# EAGLE board makey_makey_panel_v13 (EAGLE 6.5.0), part 1 of 4 (continued)
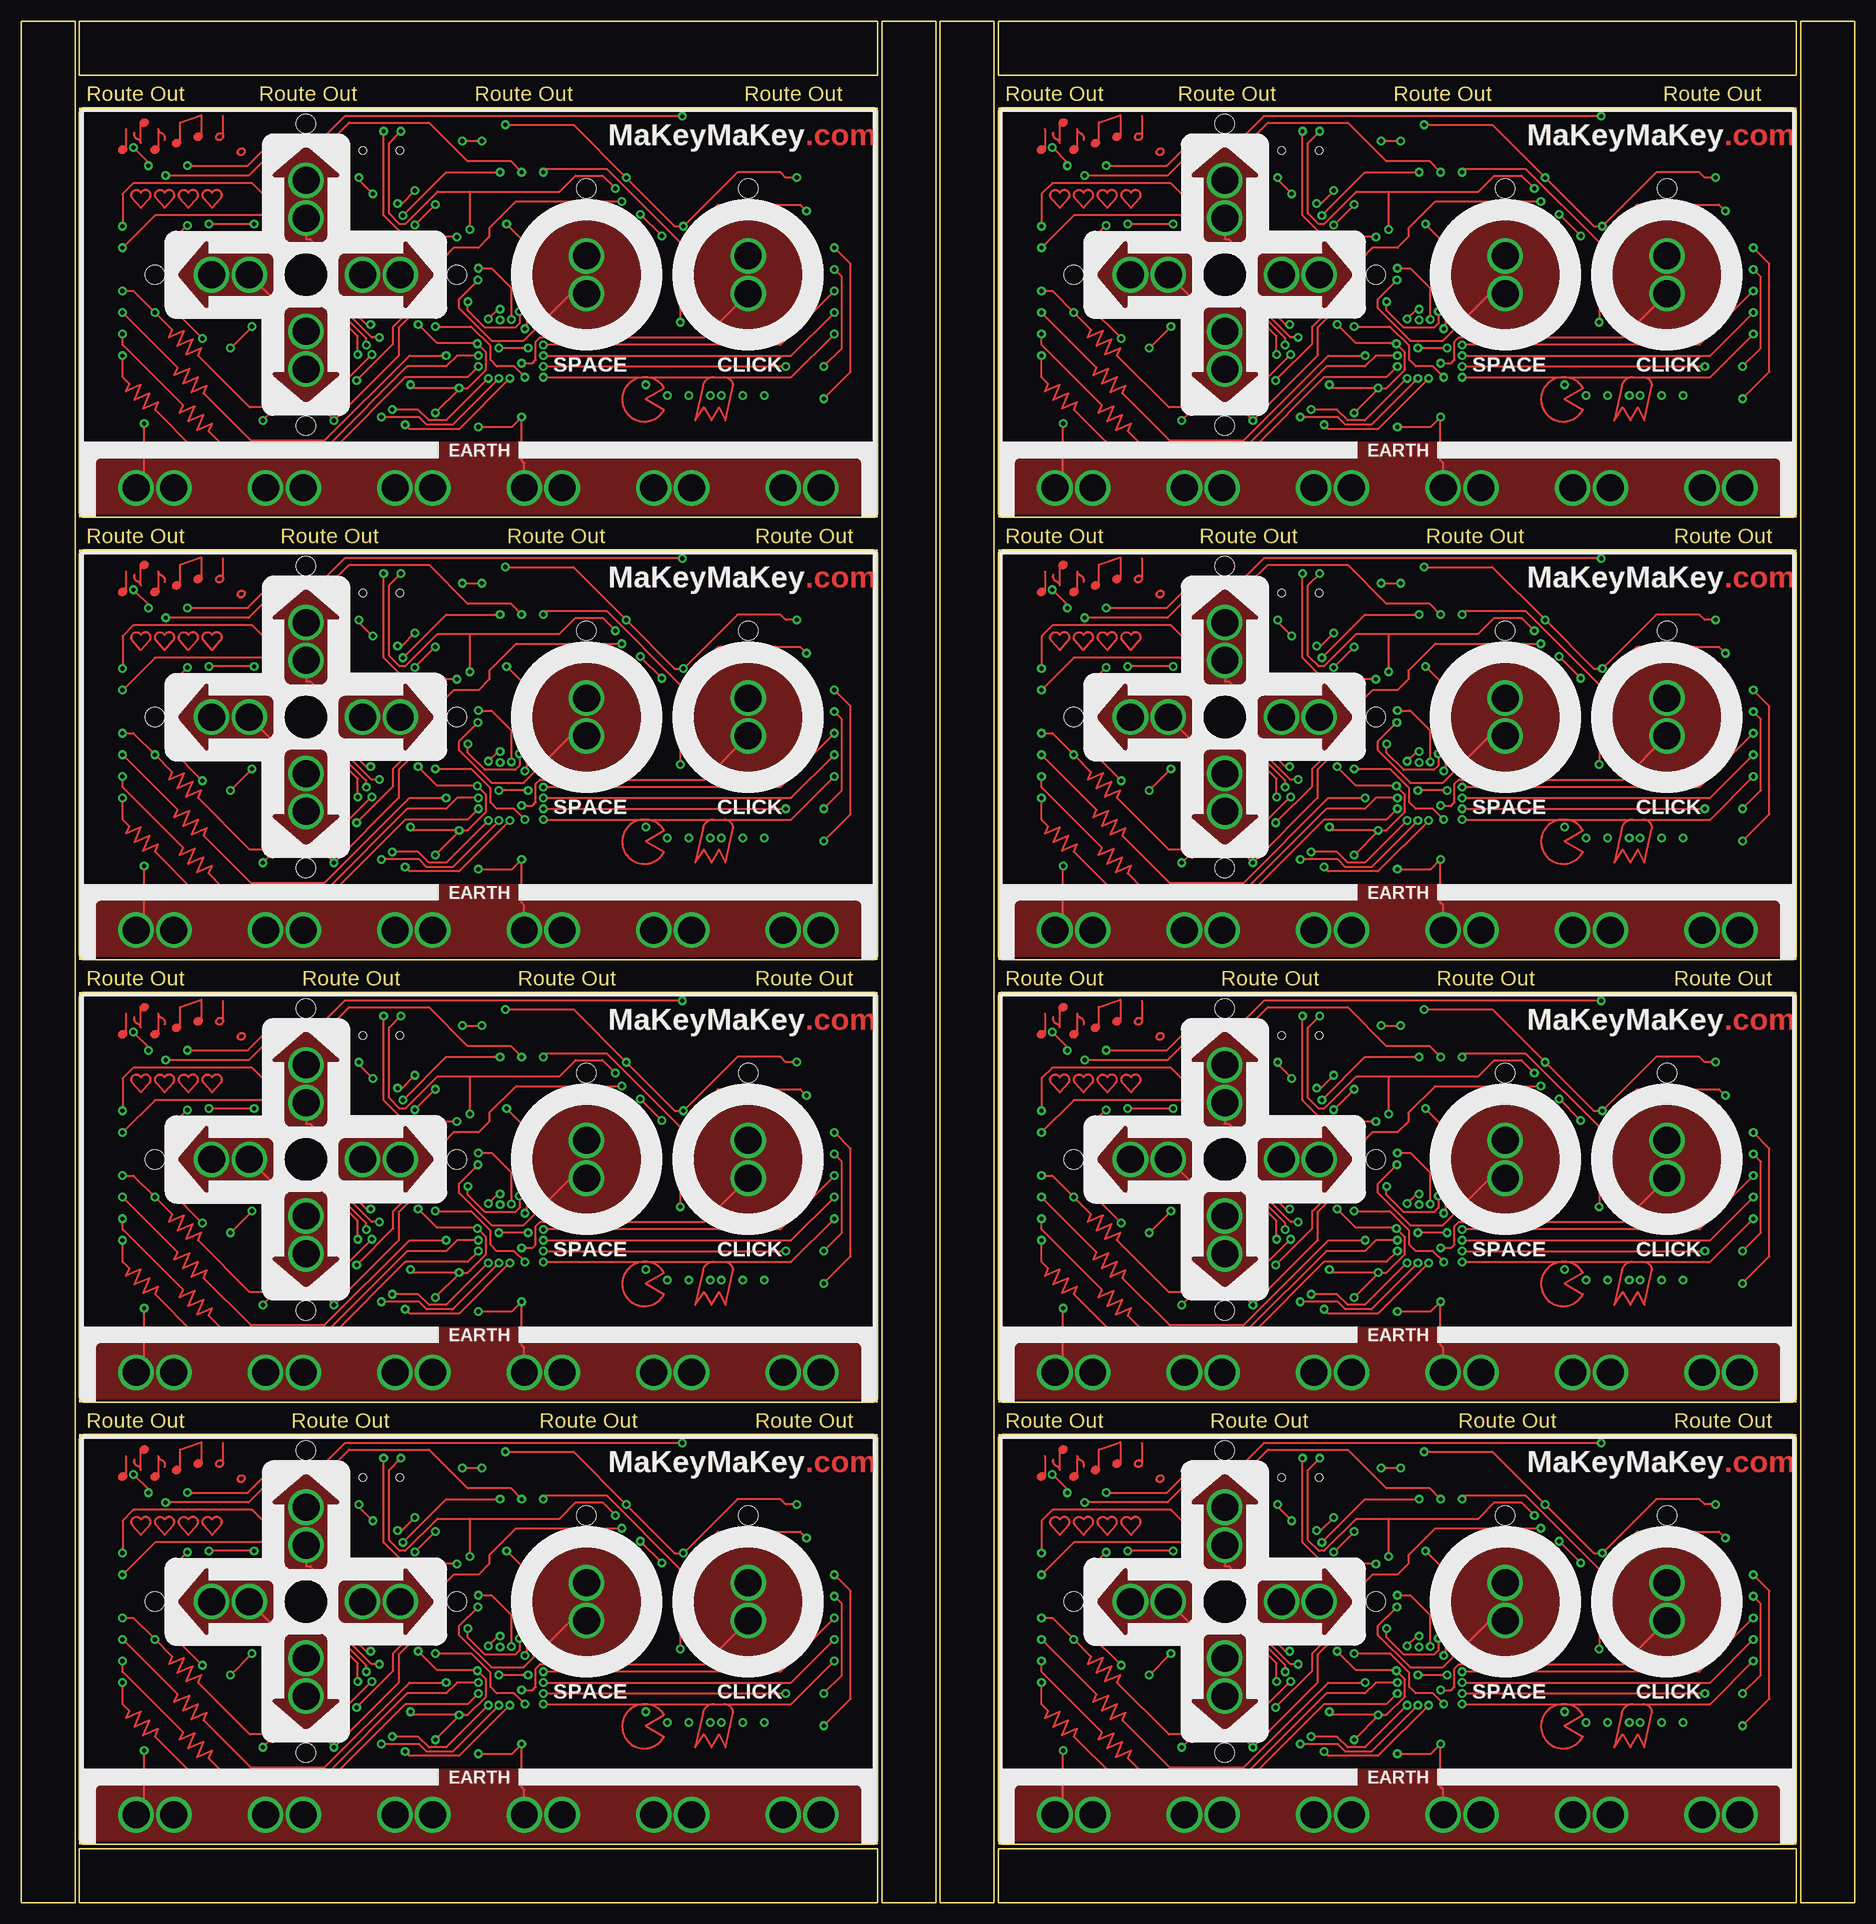
[diagram p0: board, top side]
## Placement (x,y rotation side) (continued)
LEFT  [1X01_ALLIGATOR_3MM]  24.64,35.43 270 top
LEFT1  [1X01_ALLIGATOR_3MM]  24.64,87.5 270 top
LEFT2  [1X01_ALLIGATOR_3MM]  24.64,139.57 270 top
LEFT3  [1X01_ALLIGATOR_3MM]  24.64,191.64 270 top
LEFT4  [1X01_ALLIGATOR_3MM]  132.84,35.43 270 top
LEFT5  [1X01_ALLIGATOR_3MM]  132.84,87.5 270 top
LEFT6  [1X01_ALLIGATOR_3MM]  132.84,139.57 270 top
LEFT7  [1X01_ALLIGATOR_3MM]  132.84,191.64 270 top
R1  22  [0603-RES]  55.12,38.61 90 bottom
R2  22  [0603-RES]  56.39,39.12 90 bottom
R3  10K  [0603-RES]  53.85,53.09 180 bottom
R4  22M  [0603-RES]  18.92,24.13 180 bottom
R5  22M  [0603-RES]  18.92,26.67 180 bottom
R6  22M  [0603-RES]  18.92,29.21 180 bottom
R7  22M  [0603-RES]  18.92,31.75 180 bottom
R8  22M  [0603-RES]  18.92,42.8 180 bottom
R9  22M  [0603-RES]  18.92,44.96 180 bottom
R10  22M  [0603-RES]  89.41,25.91 0 bottom
R11  22M  [0603-RES]  89.41,28.45 0 bottom
R12  22M  [0603-RES]  89.41,30.99 0 bottom
R13  22M  [0603-RES]  89.41,33.53 0 bottom
R14  22M  [0603-RES]  89.41,36.07 0 bottom
R15  22M  [0603-RES]  89.41,38.61 0 bottom
R16  1k  [0603-RES]  65.66,51.31 180 bottom
R17  330  [0603-RES]  94.49,46.23 90 bottom
R18  330  [0603-RES]  13.21,46.23 90 bottom
R19  1k  [0603-RES]  57.28,51.31 0 bottom
R20  330  [0603-RES]  39.24,18.29 0 bottom
R21  330  [0603-RES]  39.24,19.56 0 bottom
R22  330  [0603-RES]  53.85,38.61 90 bottom
R23  1k  [0603-RES]  42.04,43.56 0 bottom
R24  22M  [0603-RES]  31.88,37.34 180 bottom
R25  22M  [0603-RES]  31.88,33.53 180 bottom
R26  22M  [0603-RES]  35.18,33.53 0 bottom
R27  22M  [0603-RES]  35.18,37.34 0 bottom
R28  22M  [0603-RES]  70.36,36.07 90 bottom
R29  22M  [0603-RES]  81.79,36.07 90 bottom
R30  10K  [0603-RES]  53.85,105.16 180 bottom
R31  22  [0603-RES]  56.39,91.19 90 bottom
R32  22  [0603-RES]  55.12,90.68 90 bottom
R33  22M  [0603-RES]  81.79,88.14 90 bottom
R34  22M  [0603-RES]  70.36,88.14 90 bottom
R35  22M  [0603-RES]  35.18,89.41 0 bottom
R36  22M  [0603-RES]  35.18,85.6 0 bottom
R37  22M  [0603-RES]  31.88,85.6 180 bottom
R38  22M  [0603-RES]  31.88,89.41 180 bottom
R39  1k  [0603-RES]  42.04,95.63 0 bottom
R40  22M  [0603-RES]  89.41,88.14 0 bottom
R41  22M  [0603-RES]  89.41,85.6 0 bottom
R42  22M  [0603-RES]  89.41,83.06 0 bottom
R43  22M  [0603-RES]  89.41,80.52 0 bottom
R44  22M  [0603-RES]  89.41,77.98 0 bottom
R45  22M  [0603-RES]  18.92,83.82 180 bottom
R46  22M  [0603-RES]  18.92,81.28 180 bottom
R47  22M  [0603-RES]  18.92,78.74 180 bottom
R48  22M  [0603-RES]  18.92,76.2 180 bottom
R49  22M  [0603-RES]  18.92,97.03 180 bottom
R50  22M  [0603-RES]  18.92,94.87 180 bottom
R51  22M  [0603-RES]  89.41,90.68 0 bottom
R52  330  [0603-RES]  39.24,70.36 0 bottom
R53  330  [0603-RES]  39.24,71.63 0 bottom
R54  330  [0603-RES]  53.85,90.68 90 bottom
R55  330  [0603-RES]  94.49,98.3 90 bottom
R56  330  [0603-RES]  13.21,98.3 90 bottom
R57  1k  [0603-RES]  65.66,103.38 180 bottom
R58  1k  [0603-RES]  57.28,103.38 0 bottom
R59  10K  [0603-RES]  53.85,157.23 180 bottom
R60  22  [0603-RES]  56.39,143.26 90 bottom
R61  22  [0603-RES]  55.12,142.75 90 bottom
R62  22M  [0603-RES]  81.79,140.21 90 bottom
R63  22M  [0603-RES]  70.36,140.21 90 bottom
R64  22M  [0603-RES]  35.18,141.48 0 bottom
R65  22M  [0603-RES]  35.18,137.67 0 bottom
R66  22M  [0603-RES]  31.88,137.67 180 bottom
R67  22M  [0603-RES]  31.88,141.48 180 bottom
R68  1k  [0603-RES]  42.04,147.7 0 bottom
R69  22M  [0603-RES]  89.41,140.21 0 bottom
R70  22M  [0603-RES]  89.41,137.67 0 bottom
R71  22M  [0603-RES]  89.41,135.13 0 bottom
R72  22M  [0603-RES]  89.41,132.59 0 bottom
R73  22M  [0603-RES]  89.41,130.05 0 bottom
R74  22M  [0603-RES]  18.92,135.89 180 bottom
R75  22M  [0603-RES]  18.92,133.35 180 bottom
R76  22M  [0603-RES]  18.92,130.81 180 bottom
R77  22M  [0603-RES]  18.92,128.27 180 bottom
R78  22M  [0603-RES]  18.92,149.1 180 bottom
R79  22M  [0603-RES]  18.92,146.94 180 bottom
R80  22M  [0603-RES]  89.41,142.75 0 bottom
R81  330  [0603-RES]  39.24,122.43 0 bottom
R82  330  [0603-RES]  39.24,123.7 0 bottom
R83  330  [0603-RES]  53.85,142.75 90 bottom
R84  330  [0603-RES]  94.49,150.37 90 bottom
R85  330  [0603-RES]  13.21,150.37 90 bottom
R86  1k  [0603-RES]  65.66,155.45 180 bottom
R87  1k  [0603-RES]  57.28,155.45 0 bottom
R88  10K  [0603-RES]  53.85,209.3 180 bottom
R89  22  [0603-RES]  56.39,195.33 90 bottom
R90  22  [0603-RES]  55.12,194.82 90 bottom
R91  22M  [0603-RES]  81.79,192.28 90 bottom
R92  22M  [0603-RES]  70.36,192.28 90 bottom
R93  22M  [0603-RES]  35.18,193.55 0 bottom
R94  22M  [0603-RES]  35.18,189.74 0 bottom
R95  22M  [0603-RES]  31.88,189.74 180 bottom
R96  22M  [0603-RES]  31.88,193.55 180 bottom
R97  1k  [0603-RES]  42.04,199.77 0 bottom
R98  22M  [0603-RES]  89.41,192.28 0 bottom
R99  22M  [0603-RES]  89.41,189.74 0 bottom
R100  22M  [0603-RES]  89.41,187.2 0 bottom
R101  22M  [0603-RES]  89.41,184.66 0 bottom
R102  22M  [0603-RES]  89.41,182.12 0 bottom
R103  22M  [0603-RES]  18.92,187.96 180 bottom
R104  22M  [0603-RES]  18.92,185.42 180 bottom
R105  22M  [0603-RES]  18.92,182.88 180 bottom
R106  22M  [0603-RES]  18.92,180.34 180 bottom
R107  22M  [0603-RES]  18.92,201.17 180 bottom
R108  22M  [0603-RES]  18.92,199.01 180 bottom
R109  22M  [0603-RES]  89.41,194.82 0 bottom
R110  330  [0603-RES]  39.24,174.5 0 bottom
R111  330  [0603-RES]  39.24,175.77 0 bottom
R112  330  [0603-RES]  53.85,194.82 90 bottom
R113  330  [0603-RES]  94.49,202.44 90 bottom
R114  330  [0603-RES]  13.21,202.44 90 bottom
R115  1k  [0603-RES]  65.66,207.52 180 bottom
R116  1k  [0603-RES]  57.28,207.52 0 bottom
R117  10K  [0603-RES]  162.05,53.09 180 bottom
R118  22  [0603-RES]  164.59,39.12 90 bottom
R119  22  [0603-RES]  163.32,38.61 90 bottom
R120  22M  [0603-RES]  189.99,36.07 90 bottom
R121  22M  [0603-RES]  178.56,36.07 90 bottom
R122  22M  [0603-RES]  143.38,37.34 0 bottom
R123  22M  [0603-RES]  143.38,33.53 0 bottom
R124  22M  [0603-RES]  140.08,33.53 180 bottom
R125  22M  [0603-RES]  140.08,37.34 180 bottom
R126  1k  [0603-RES]  150.24,43.56 0 bottom
R127  22M  [0603-RES]  197.61,36.07 0 bottom
R128  22M  [0603-RES]  197.61,33.53 0 bottom
R129  22M  [0603-RES]  197.61,30.99 0 bottom
R130  22M  [0603-RES]  197.61,28.45 0 bottom
R131  22M  [0603-RES]  197.61,25.91 0 bottom
R132  22M  [0603-RES]  127.13,31.75 180 bottom
R133  22M  [0603-RES]  127.13,29.21 180 bottom
R134  22M  [0603-RES]  127.13,26.67 180 bottom
R135  22M  [0603-RES]  127.13,24.13 180 bottom
R136  22M  [0603-RES]  127.13,44.96 180 bottom
R137  22M  [0603-RES]  127.13,42.8 180 bottom
R138  22M  [0603-RES]  197.61,38.61 0 bottom
R139  330  [0603-RES]  147.45,18.29 0 bottom
R140  330  [0603-RES]  147.45,19.56 0 bottom
R141  330  [0603-RES]  162.05,38.61 90 bottom
R142  330  [0603-RES]  202.69,46.23 90 bottom
R143  330  [0603-RES]  121.41,46.23 90 bottom
R144  1k  [0603-RES]  173.86,51.31 180 bottom
R145  1k  [0603-RES]  165.48,51.31 0 bottom
R146  10K  [0603-RES]  162.05,105.16 180 bottom
R147  22  [0603-RES]  164.59,91.19 90 bottom
R148  22  [0603-RES]  163.32,90.68 90 bottom
R149  22M  [0603-RES]  189.99,88.14 90 bottom
R150  22M  [0603-RES]  178.56,88.14 90 bottom
R151  22M  [0603-RES]  143.38,89.41 0 bottom
R152  22M  [0603-RES]  143.38,85.6 0 bottom
R153  22M  [0603-RES]  140.08,85.6 180 bottom
R154  22M  [0603-RES]  140.08,89.41 180 bottom
R155  1k  [0603-RES]  150.24,95.63 0 bottom
R156  22M  [0603-RES]  197.61,88.14 0 bottom
R157  22M  [0603-RES]  197.61,85.6 0 bottom
R158  22M  [0603-RES]  197.61,83.06 0 bottom
R159  22M  [0603-RES]  197.61,80.52 0 bottom
R160  22M  [0603-RES]  197.61,77.98 0 bottom
R161  22M  [0603-RES]  127.13,83.82 180 bottom
R162  22M  [0603-RES]  127.13,81.28 180 bottom
R163  22M  [0603-RES]  127.13,78.74 180 bottom
R164  22M  [0603-RES]  127.13,76.2 180 bottom
R165  22M  [0603-RES]  127.13,97.03 180 bottom
R166  22M  [0603-RES]  127.13,94.87 180 bottom
R167  22M  [0603-RES]  197.61,90.68 0 bottom
R168  330  [0603-RES]  147.45,70.36 0 bottom
R169  330  [0603-RES]  147.45,71.63 0 bottom
R170  330  [0603-RES]  162.05,90.68 90 bottom
R171  330  [0603-RES]  202.69,98.3 90 bottom
R172  330  [0603-RES]  121.41,98.3 90 bottom
R173  1k  [0603-RES]  173.86,103.38 180 bottom
R174  1k  [0603-RES]  165.48,103.38 0 bottom
R175  10K  [0603-RES]  162.05,157.23 180 bottom
R176  22  [0603-RES]  164.59,143.26 90 bottom
R177  22  [0603-RES]  163.32,142.75 90 bottom
R178  22M  [0603-RES]  189.99,140.21 90 bottom
R179  22M  [0603-RES]  178.56,140.21 90 bottom
R180  22M  [0603-RES]  143.38,141.48 0 bottom
R181  22M  [0603-RES]  143.38,137.67 0 bottom
R182  22M  [0603-RES]  140.08,137.67 180 bottom
R183  22M  [0603-RES]  140.08,141.48 180 bottom
R184  1k  [0603-RES]  150.24,147.7 0 bottom
R185  22M  [0603-RES]  197.61,140.21 0 bottom
R186  22M  [0603-RES]  197.61,137.67 0 bottom
R187  22M  [0603-RES]  197.61,135.13 0 bottom
R188  22M  [0603-RES]  197.61,132.59 0 bottom
R189  22M  [0603-RES]  197.61,130.05 0 bottom
R190  22M  [0603-RES]  127.13,135.89 180 bottom
R191  22M  [0603-RES]  127.13,133.35 180 bottom
R192  22M  [0603-RES]  127.13,130.81 180 bottom
R193  22M  [0603-RES]  127.13,128.27 180 bottom
R194  22M  [0603-RES]  127.13,149.1 180 bottom
R195  22M  [0603-RES]  127.13,146.94 180 bottom
R196  22M  [0603-RES]  197.61,142.75 0 bottom
R197  330  [0603-RES]  147.45,122.43 0 bottom
R198  330  [0603-RES]  147.45,123.7 0 bottom
R199  330  [0603-RES]  162.05,142.75 90 bottom
R200  330  [0603-RES]  202.69,150.37 90 bottom
R201  330  [0603-RES]  121.41,150.37 90 bottom
R202  1k  [0603-RES]  173.86,155.45 180 bottom
R203  1k  [0603-RES]  165.48,155.45 0 bottom
R204  10K  [0603-RES]  162.05,209.3 180 bottom
R205  22  [0603-RES]  164.59,195.33 90 bottom
R206  22  [0603-RES]  163.32,194.82 90 bottom
R207  22M  [0603-RES]  189.99,192.28 90 bottom
R208  22M  [0603-RES]  178.56,192.28 90 bottom
R209  22M  [0603-RES]  143.38,193.55 0 bottom
R210  22M  [0603-RES]  143.38,189.74 0 bottom
R211  22M  [0603-RES]  140.08,189.74 180 bottom
R212  22M  [0603-RES]  140.08,193.55 180 bottom
R213  1k  [0603-RES]  150.24,199.77 0 bottom
R214  22M  [0603-RES]  197.61,192.28 0 bottom
R215  22M  [0603-RES]  197.61,189.74 0 bottom
R216  22M  [0603-RES]  197.61,187.2 0 bottom
R217  22M  [0603-RES]  197.61,184.66 0 bottom
R218  22M  [0603-RES]  197.61,182.12 0 bottom
R219  22M  [0603-RES]  127.13,187.96 180 bottom
R220  22M  [0603-RES]  127.13,185.42 180 bottom
R221  22M  [0603-RES]  127.13,182.88 180 bottom
R222  22M  [0603-RES]  127.13,180.34 180 bottom
R223  22M  [0603-RES]  127.13,201.17 180 bottom
R224  22M  [0603-RES]  127.13,199.01 180 bottom
R225  22M  [0603-RES]  197.61,194.82 0 bottom
R226  330  [0603-RES]  147.45,174.5 0 bottom
R227  330  [0603-RES]  147.45,175.77 0 bottom
R228  330  [0603-RES]  162.05,194.82 90 bottom
R229  330  [0603-RES]  202.69,202.44 90 bottom
R230  330  [0603-RES]  121.41,202.44 90 bottom
R231  1k  [0603-RES]  173.86,207.52 180 bottom
R232  1k  [0603-RES]  165.48,207.52 0 bottom
RIGHT  [1X01_ALLIGATOR_3MM]  42.42,35.43 270 top
RIGHT1  [1X01_ALLIGATOR_3MM]  42.42,87.5 270 top
RIGHT2  [1X01_ALLIGATOR_3MM]  42.42,139.57 270 top
RIGHT3  [1X01_ALLIGATOR_3MM]  42.42,191.64 270 top
RIGHT4  [1X01_ALLIGATOR_3MM]  150.62,35.43 270 top
RIGHT5  [1X01_ALLIGATOR_3MM]  150.62,87.5 270 top
RIGHT6  [1X01_ALLIGATOR_3MM]  150.62,139.57 270 top
RIGHT7  [1X01_ALLIGATOR_3MM]  150.62,191.64 270 top
SJ1  Pull-ups  [SJ_2S-TRACE]  77.98,47.5 180 bottom
SJ2  Pull-ups  [SJ_2S-TRACE]  77.98,99.57 180 bottom
SJ3  Pull-ups  [SJ_2S-TRACE]  77.98,151.64 180 bottom
SJ4  Pull-ups  [SJ_2S-TRACE]  77.98,203.71 180 bottom
SJ5  Pull-ups  [SJ_2S-TRACE]  186.18,47.5 180 bottom
SJ6  Pull-ups  [SJ_2S-TRACE]  186.18,99.57 180 bottom
SJ7  Pull-ups  [SJ_2S-TRACE]  186.18,151.64 180 bottom
SJ8  Pull-ups  [SJ_2S-TRACE]  186.18,203.71 180 bottom
SPACE  [1X01_ALLIGATOR_3MM]  66.55,35.43 180 bottom
SPACE1  [1X01_ALLIGATOR_3MM]  66.55,87.5 180 bottom
SPACE2  [1X01_ALLIGATOR_3MM]  66.55,139.57 180 bottom
SPACE3  [1X01_ALLIGATOR_3MM]  66.55,191.64 180 bottom
SPACE4  [1X01_ALLIGATOR_3MM]  174.75,35.43 180 bottom
SPACE5  [1X01_ALLIGATOR_3MM]  174.75,87.5 180 bottom
SPACE6  [1X01_ALLIGATOR_3MM]  174.75,139.57 180 bottom
SPACE7  [1X01_ALLIGATOR_3MM]  174.75,191.64 180 bottom
U1  ATMEGA32U4TQFP  [TQFP44]  57.66,27.18 270 bottom
U2  ATMEGA32U4TQFP  [TQFP44]  57.66,79.25 270 bottom
U3  ATMEGA32U4TQFP  [TQFP44]  57.66,131.32 270 bottom
U4  ATMEGA32U4TQFP  [TQFP44]  57.66,183.39 270 bottom
U5  ATMEGA32U4TQFP  [TQFP44]  165.86,27.18 270 bottom
U6  ATMEGA32U4TQFP  [TQFP44]  165.86,79.25 270 bottom
U7  ATMEGA32U4TQFP  [TQFP44]  165.86,131.32 270 bottom
U8  ATMEGA32U4TQFP  [TQFP44]  165.86,183.39 270 bottom
U$1  OSHW-LOGOM  [OSHW-LOGO-M]  90.17,52.07 0 bottom
U$2  OSHW-LOGOM  [OSHW-LOGO-M]  90.17,104.14 0 bottom
U$3  OSHW-LOGOM  [OSHW-LOGO-M]  90.17,156.21 0 bottom
U$4  OSHW-LOGOM  [OSHW-LOGO-M]  90.17,208.28 0 bottom
U$5  OSHW-LOGOM  [OSHW-LOGO-M]  198.37,52.07 0 bottom
U$6  OSHW-LOGOM  [OSHW-LOGO-M]  198.37,104.14 0 bottom
U$7  OSHW-LOGOM  [OSHW-LOGO-M]  198.37,156.21 0 bottom
U$8  OSHW-LOGOM  [OSHW-LOGO-M]  198.37,208.28 0 bottom
UP  [1X01_ALLIGATOR_3MM]  33.53,44.32 0 top
UP1  [1X01_ALLIGATOR_3MM]  33.53,96.39 0 top
UP2  [1X01_ALLIGATOR_3MM]  33.53,148.46 0 top
UP3  [1X01_ALLIGATOR_3MM]  33.53,200.53 0 top
UP4  [1X01_ALLIGATOR_3MM]  141.73,44.32 0 top
UP5  [1X01_ALLIGATOR_3MM]  141.73,96.39 0 top
UP6  [1X01_ALLIGATOR_3MM]  141.73,148.46 0 top
UP7  [1X01_ALLIGATOR_3MM]  141.73,200.53 0 top
X1  USBSMD  [USB-MINIB]  42.42,50.04 270 bottom
X2  USBSMD  [USB-MINIB]  42.42,102.11 270 bottom
X3  USBSMD  [USB-MINIB]  42.42,154.18 270 bottom
X4  USBSMD  [USB-MINIB]  42.42,206.25 270 bottom
X5  USBSMD  [USB-MINIB]  150.62,50.04 270 bottom
X6  USBSMD  [USB-MINIB]  150.62,102.11 270 bottom
X7  USBSMD  [USB-MINIB]  150.62,154.18 270 bottom
X8  USBSMD  [USB-MINIB]  150.62,206.25 270 bottom
Y1  16MHz  [CRYSTAL-SMD-5X3]  67.82,27.18 270 bottom
Y2  16MHz  [CRYSTAL-SMD-5X3]  67.82,79.25 270 bottom
Y3  16MHz  [CRYSTAL-SMD-5X3]  67.82,131.32 270 bottom
Y4  16MHz  [CRYSTAL-SMD-5X3]  67.82,183.39 270 bottom
Y5  16MHz  [CRYSTAL-SMD-5X3]  176.02,27.18 270 bottom
Y6  16MHz  [CRYSTAL-SMD-5X3]  176.02,79.25 270 bottom
Y7  16MHz  [CRYSTAL-SMD-5X3]  176.02,131.32 270 bottom
Y8  16MHz  [CRYSTAL-SMD-5X3]  176.02,183.39 270 bottom

## Library data of the parts
C1-C64 JP1 JP2 JP4 JP9 JP22 JP23 JP27 JP35 JP36 JP40 JP48 JP49 JP53 JP61 JP62 JP66 JP74 JP75 JP79 JP87 JP88 JP92 JP100 JP101 LED7 LED12 LED23 LED34 LED45 LED56 LED67 LED78 R1-R15 R23-R51 R59-R80 R88-R109 R117-R138 R146-R167 R175-R196 R204-R225 SJ1-SJ8 X1-X8 Y1-Y8 = SparkFun
CLICK CLICK1-CLICK7 DOWN DOWN1-DOWN7 JP3 JP5-JP8 JP10-JP21 JP24-JP26 JP28-JP34 JP37-JP39 JP41-JP47 JP50-JP52 JP54-JP60 JP63-JP65 JP67-JP73 JP76-JP78 JP80-JP86 JP89-JP91 JP93-JP99 JP102-JP104 LEFT LEFT1-LEFT7 RIGHT RIGHT1-RIGHT7 SPACE SPACE1-SPACE7 UP UP1-UP7 = SparkFun-Connectors
E$1-E$6 U$1-U$8 = SparkFun-Aesthetics
F1-F8 = SparkFun-PowerIC
LED1-LED6 LED8-LED11 LED13-LED22 LED24-LED33 LED35-LED44 LED46-LED55 LED57-LED66 LED68-LED77 LED79-LED88 = SparkFun-LED
R16-R22 R52-R58 R81-R87 R110-R116 R139-R145 R168-R174 R197-R203 R226-R232 = SparkFun-Passives
U1-U8 = SparkFun-DigitalIC

## Nets
A0: JP12.1 JP12.1-2 R4.1 U1.36
A1: JP12.2 JP12.2-2 R5.1 U1.37
A2: JP12.3 JP12.3-2 R6.1 U1.38
A3: JP12.4 JP12.4-2 R7.1 U1.39
A4: JP12.5 JP12.5-2 R8.1 U1.40
A5: JP12.6 JP12.6-2 R9.1 U1.41
A6: JP24.1 JP24.1-2 R48.1 U2.36
A7: JP24.2 JP24.2-2 R47.1 U2.37
A8: JP24.3 JP24.3-2 R46.1 U2.38
A9: JP24.4 JP24.4-2 R45.1 U2.39
A10: JP24.5 JP24.5-2 R50.1 U2.40
A11: JP24.6 JP24.6-2 R49.1 U2.41
A12: JP37.1 JP37.1-2 R77.1 U3.36
A13: JP37.2 JP37.2-2 R76.1 U3.37
A14: JP37.3 JP37.3-2 R75.1 U3.38
A15: JP37.4 JP37.4-2 R74.1 U3.39
A16: JP37.5 JP37.5-2 R79.1 U3.40
A17: JP37.6 JP37.6-2 R78.1 U3.41
A18: JP50.1 JP50.1-2 R106.1 U4.36
A19: JP50.2 JP50.2-2 R105.1 U4.37
A20: JP50.3 JP50.3-2 R104.1 U4.38
A21: JP50.4 JP50.4-2 R103.1 U4.39
A22: JP50.5 JP50.5-2 R108.1 U4.40
A23: JP50.6 JP50.6-2 R107.1 U4.41
A24: JP63.1 JP63.1-2 R135.1 U5.36
A25: JP63.2 JP63.2-2 R134.1 U5.37
A26: JP63.3 JP63.3-2 R133.1 U5.38
A27: JP63.4 JP63.4-2 R132.1 U5.39
A28: JP63.5 JP63.5-2 R137.1 U5.40
A29: JP63.6 JP63.6-2 R136.1 U5.41
A30: JP76.1 JP76.1-2 R164.1 U6.36
A31: JP76.2 JP76.2-2 R163.1 U6.37
A32: JP76.3 JP76.3-2 R162.1 U6.38
A33: JP76.4 JP76.4-2 R161.1 U6.39
A34: JP76.5 JP76.5-2 R166.1 U6.40
A35: JP76.6 JP76.6-2 R165.1 U6.41
A36: JP89.1 JP89.1-2 R193.1 U7.36
A37: JP89.2 JP89.2-2 R192.1 U7.37
A38: JP89.3 JP89.3-2 R191.1 U7.38
A39: JP89.4 JP89.4-2 R190.1 U7.39
A40: JP89.5 JP89.5-2 R195.1 U7.40
A41: JP89.6 JP89.6-2 R194.1 U7.41
A42: JP102.1 JP102.1-2 R222.1 U8.36
A43: JP102.2 JP102.2-2 R221.1 U8.37
A44: JP102.3 JP102.3-2 R220.1 U8.38
A45: JP102.4 JP102.4-2 R219.1 U8.39
A46: JP102.5 JP102.5-2 R224.1 U8.40
A47: JP102.6 JP102.6-2 R223.1 U8.41
AREF: C1.2 U1.42
AREF1: C9.2 U2.42
AREF2: C17.2 U3.42
AREF3: C25.2 U4.42
AREF4: C33.2 U5.42
AREF5: C41.2 U6.42
AREF6: C49.2 U7.42
AREF7: C57.2 U8.42
D0: JP13.6 JP13.6-2 R10.1 U1.20
D1: JP13.5 JP13.5-2 R11.1 U1.21
D2: JP13.4 JP13.4-2 R12.1 U1.19
D3: JP13.3 JP13.3-2 R13.1 U1.18
D4: JP13.2 JP13.2-2 R14.1 U1.25
D5: JP13.1 JP13.1-2 R15.1 U1.31
D6: CLICK.1@0 CLICK.1@2 R29.1 U1.27
D7: R28.1 SPACE.1@0 SPACE.1@2 U1.1
D8: DOWN.1@0 DOWN.1@2 R26.1 U1.28
D9: R20.1 U1.29
D10: R21.1 U1.30
D11: R22.1 U1.12
D12: R24.1 U1.26 UP.1@0 UP.1@2
D13: LEFT.1@0 LEFT.1@2 R25.1 U1.32
D14: JP14.6 JP14.6-2 U1.11
D15: JP14.1 JP14.1-2 R27.1 RIGHT.1@0 RIGHT.1@2 U1.9
D16: JP14.5 JP14.5-2 U1.10
D17: LED8.C LED10.C U1.8
D18: JP26.5 JP26.5-2 U2.10
D19: JP26.6 JP26.6-2 U2.11
D20: JP26.1 JP26.1-2 R35.1 RIGHT1.1@0 RIGHT1.1@2 U2.9
D21: JP25.6 JP25.6-2 R44.1 U2.20
D22: JP25.5 JP25.5-2 R43.1 U2.21
D23: JP25.4 JP25.4-2 R42.1 U2.19
D24: JP25.3 JP25.3-2 R41.1 U2.18
D25: JP25.2 JP25.2-2 R40.1 U2.25
D26: R34.1 SPACE1.1@0 SPACE1.1@2 U2.1
D27: R54.1 U2.12
D28: R38.1 U2.26 UP1.1@0 UP1.1@2
D29: LED19.C LED21.C U2.8
D30: LEFT1.1@0 LEFT1.1@2 R37.1 U2.32
D31: R53.1 U2.30
D32: R52.1 U2.29
D33: DOWN1.1@0 DOWN1.1@2 R36.1 U2.28
D34: CLICK1.1@0 CLICK1.1@2 R33.1 U2.27
D35: JP25.1 JP25.1-2 R51.1 U2.31
D36: JP39.5 JP39.5-2 U3.10
D37: JP39.6 JP39.6-2 U3.11
D38: JP39.1 JP39.1-2 R64.1 RIGHT2.1@0 RIGHT2.1@2 U3.9
D39: JP38.6 JP38.6-2 R73.1 U3.20
D40: JP38.5 JP38.5-2 R72.1 U3.21
D41: JP38.4 JP38.4-2 R71.1 U3.19
D42: JP38.3 JP38.3-2 R70.1 U3.18
D43: JP38.2 JP38.2-2 R69.1 U3.25
D44: R63.1 SPACE2.1@0 SPACE2.1@2 U3.1
D45: R83.1 U3.12
D46: R67.1 U3.26 UP2.1@0 UP2.1@2
D47: LED30.C LED32.C U3.8
D48: LEFT2.1@0 LEFT2.1@2 R66.1 U3.32
D49: R82.1 U3.30
D50: R81.1 U3.29
D51: DOWN2.1@0 DOWN2.1@2 R65.1 U3.28
D52: CLICK2.1@0 CLICK2.1@2 R62.1 U3.27
D53: JP38.1 JP38.1-2 R80.1 U3.31
D54: JP52.5 JP52.5-2 U4.10
D55: JP52.6 JP52.6-2 U4.11
D56: JP52.1 JP52.1-2 R93.1 RIGHT3.1@0 RIGHT3.1@2 U4.9
D57: JP51.6 JP51.6-2 R102.1 U4.20
D58: JP51.5 JP51.5-2 R101.1 U4.21
D59: JP51.4 JP51.4-2 R100.1 U4.19
D60: JP51.3 JP51.3-2 R99.1 U4.18
D61: JP51.2 JP51.2-2 R98.1 U4.25
D62: R92.1 SPACE3.1@0 SPACE3.1@2 U4.1
D63: R112.1 U4.12
D64: R96.1 U4.26 UP3.1@0 UP3.1@2
D65: LED41.C LED43.C U4.8
D66: LEFT3.1@0 LEFT3.1@2 R95.1 U4.32
D67: R111.1 U4.30
D68: R110.1 U4.29
D69: DOWN3.1@0 DOWN3.1@2 R94.1 U4.28
D70: CLICK3.1@0 CLICK3.1@2 R91.1 U4.27
D71: JP51.1 JP51.1-2 R109.1 U4.31
D72: JP65.5 JP65.5-2 U5.10
D73: JP65.6 JP65.6-2 U5.11
D74: JP65.1 JP65.1-2 R122.1 RIGHT4.1@0 RIGHT4.1@2 U5.9
D75: JP64.6 JP64.6-2 R131.1 U5.20
D76: JP64.5 JP64.5-2 R130.1 U5.21
D77: JP64.4 JP64.4-2 R129.1 U5.19
D78: JP64.3 JP64.3-2 R128.1 U5.18
D79: JP64.2 JP64.2-2 R127.1 U5.25
D80: R121.1 SPACE4.1@0 SPACE4.1@2 U5.1
D81: R141.1 U5.12
D82: R125.1 U5.26 UP4.1@0 UP4.1@2
D83: LED52.C LED54.C U5.8
D84: LEFT4.1@0 LEFT4.1@2 R124.1 U5.32
D85: R140.1 U5.30
D86: R139.1 U5.29
D87: DOWN4.1@0 DOWN4.1@2 R123.1 U5.28
D88: CLICK4.1@0 CLICK4.1@2 R120.1 U5.27
D89: JP64.1 JP64.1-2 R138.1 U5.31
D90: JP78.5 JP78.5-2 U6.10
D91: JP78.6 JP78.6-2 U6.11
D92: JP78.1 JP78.1-2 R151.1 RIGHT5.1@0 RIGHT5.1@2 U6.9
D93: JP77.6 JP77.6-2 R160.1 U6.20
D94: JP77.5 JP77.5-2 R159.1 U6.21
D95: JP77.4 JP77.4-2 R158.1 U6.19
D96: JP77.3 JP77.3-2 R157.1 U6.18
D97: JP77.2 JP77.2-2 R156.1 U6.25
D98: R150.1 SPACE5.1@0 SPACE5.1@2 U6.1
D99: R170.1 U6.12
D100: R154.1 U6.26 UP5.1@0 UP5.1@2
D101: LED63.C LED65.C U6.8
D102: LEFT5.1@0 LEFT5.1@2 R153.1 U6.32
D103: R169.1 U6.30
D104: R168.1 U6.29
D105: DOWN5.1@0 DOWN5.1@2 R152.1 U6.28
D106: CLICK5.1@0 CLICK5.1@2 R149.1 U6.27
D107: JP77.1 JP77.1-2 R167.1 U6.31
D108: JP91.5 JP91.5-2 U7.10
D109: JP91.6 JP91.6-2 U7.11
D110: JP91.1 JP91.1-2 R180.1 RIGHT6.1@0 RIGHT6.1@2 U7.9
D111: JP90.6 JP90.6-2 R189.1 U7.20
D112: JP90.5 JP90.5-2 R188.1 U7.21
D113: JP90.4 JP90.4-2 R187.1 U7.19
D114: JP90.3 JP90.3-2 R186.1 U7.18
D115: JP90.2 JP90.2-2 R185.1 U7.25
D116: R179.1 SPACE6.1@0 SPACE6.1@2 U7.1
D117: R199.1 U7.12
D118: R183.1 U7.26 UP6.1@0 UP6.1@2
D119: LED74.C LED76.C U7.8
D120: LEFT6.1@0 LEFT6.1@2 R182.1 U7.32
D121: R198.1 U7.30
D122: R197.1 U7.29
D123: DOWN6.1@0 DOWN6.1@2 R181.1 U7.28
D124: CLICK6.1@0 CLICK6.1@2 R178.1 U7.27
D125: JP90.1 JP90.1-2 R196.1 U7.31
D126: JP104.5 JP104.5-2 U8.10
D127: JP104.6 JP104.6-2 U8.11
D128: JP104.1 JP104.1-2 R209.1 RIGHT7.1@0 RIGHT7.1@2 U8.9
D129: JP103.6 JP103.6-2 R218.1 U8.20
D130: JP103.5 JP103.5-2 R217.1 U8.21
D131: JP103.4 JP103.4-2 R216.1 U8.19
D132: JP103.3 JP103.3-2 R215.1 U8.18
D133: JP103.2 JP103.2-2 R214.1 U8.25
D134: R208.1 SPACE7.1@0 SPACE7.1@2 U8.1
D135: R228.1 U8.12
D136: R212.1 U8.26 UP7.1@0 UP7.1@2
D137: LED85.C LED87.C U8.8
D138: LEFT7.1@0 LEFT7.1@2 R211.1 U8.32
D139: R227.1 U8.30
D140: R226.1 U8.29
D141: DOWN7.1@0 DOWN7.1@2 R210.1 U8.28
D142: CLICK7.1@0 CLICK7.1@2 R207.1 U8.27
D143: JP103.1 JP103.1-2 R225.1 U8.31
D+: R2.1 U1.4
D+1: R31.1 U2.4
D+2: R60.1 U3.4
D+3: R89.1 U4.4
D+4: R118.1 U5.4
D+5: R147.1 U6.4
D+6: R176.1 U7.4
D+7: R205.1 U8.4
D-: R1.1 U1.3
D-1: R32.1 U2.3
D-2: R61.1 U3.3
D-3: R90.1 U4.3
D-4: R119.1 U5.3
D-5: R148.1 U6.3
D-6: R177.1 U7.3
D-7: R206.1 U8.3
GND [vcc]: C1.1 C2.1 C3.2 C4.2 C5.1 C6.1 C7.C C8.1 JP3.1 JP3.1-2 JP3.2 JP3.2-2 JP3.3 JP3.3-2 JP3.4 JP3.4-2 JP3.5 JP3.5-2 JP3.6 JP3.6-2 JP5.1@0 JP5.1@2 JP6.1@0 JP6.1@2 JP7.1@0 JP7.1@2 JP8.1@0 JP8.1@2 JP10.1@0 JP10.1@2 JP11.1@0 JP11.1@2 JP14.3 JP14.3-2 R23.1 U1.5 U1.15 U1.23 U1.33 U1.35 U1.43 X1.GND
GND1 [vcc]: C9.1 C10.2 C11.2 C12.1 C13.1 C14.1 C15.C C16.1 JP15.1@0 JP15.1@2 JP16.1@0 JP16.1@2 JP17.1@0 JP17.1@2 JP18.1@0 JP18.1@2 JP19.1@0 JP19.1@2 JP20.1@0 JP20.1@2 JP21.1 JP21.1-2 JP21.2 JP21.2-2 JP21.3 JP21.3-2 JP21.4 JP21.4-2 JP21.5 JP21.5-2 JP21.6 JP21.6-2 JP26.3 JP26.3-2 R39.1 U2.5 U2.15 U2.23 U2.33 U2.35 U2.43 X2.GND
GND2 [vcc]: C17.1 C18.2 C19.2 C20.1 C21.1 C22.1 C23.C C24.1 JP28.1@0 JP28.1@2 JP29.1@0 JP29.1@2 JP30.1@0 JP30.1@2 JP31.1@0 JP31.1@2 JP32.1@0 JP32.1@2 JP33.1@0 JP33.1@2 JP34.1 JP34.1-2 JP34.2 JP34.2-2 JP34.3 JP34.3-2 JP34.4 JP34.4-2 JP34.5 JP34.5-2 JP34.6 JP34.6-2 JP39.3 JP39.3-2 R68.1 U3.5 U3.15 U3.23 U3.33 U3.35 U3.43 X3.GND
GND3 [vcc]: C25.1 C26.2 C27.2 C28.1 C29.1 C30.1 C31.C C32.1 JP41.1@0 JP41.1@2 JP42.1@0 JP42.1@2 JP43.1@0 JP43.1@2 JP44.1@0 JP44.1@2 JP45.1@0 JP45.1@2 JP46.1@0 JP46.1@2 JP47.1 JP47.1-2 JP47.2 JP47.2-2 JP47.3 JP47.3-2 JP47.4 JP47.4-2 JP47.5 JP47.5-2 JP47.6 JP47.6-2 JP52.3 JP52.3-2 R97.1 U4.5 U4.15 U4.23 U4.33 U4.35 U4.43 X4.GND
GND4 [vcc]: C33.1 C34.2 C35.2 C36.1 C37.1 C38.1 C39.C C40.1 JP54.1@0 JP54.1@2 JP55.1@0 JP55.1@2 JP56.1@0 JP56.1@2 JP57.1@0 JP57.1@2 JP58.1@0 JP58.1@2 JP59.1@0 JP59.1@2 JP60.1 JP60.1-2 JP60.2 JP60.2-2 JP60.3 JP60.3-2 JP60.4 JP60.4-2 JP60.5 JP60.5-2 JP60.6 JP60.6-2 JP65.3 JP65.3-2 R126.1 U5.5 U5.15 U5.23 U5.33 U5.35 U5.43 X5.GND
GND5 [vcc]: C41.1 C42.2 C43.2 C44.1 C45.1 C46.1 C47.C C48.1 JP67.1@0 JP67.1@2 JP68.1@0 JP68.1@2 JP69.1@0 JP69.1@2 JP70.1@0 JP70.1@2 JP71.1@0 JP71.1@2 JP72.1@0 JP72.1@2 JP73.1 JP73.1-2 JP73.2 JP73.2-2 JP73.3 JP73.3-2 JP73.4 JP73.4-2 JP73.5 JP73.5-2 JP73.6 JP73.6-2 JP78.3 JP78.3-2 R155.1 U6.5 U6.15 U6.23 U6.33 U6.35 U6.43 X6.GND
GND6 [vcc]: C49.1 C50.2 C51.2 C52.1 C53.1 C54.1 C55.C C56.1 JP80.1@0 JP80.1@2 JP81.1@0 JP81.1@2 JP82.1@0 JP82.1@2 JP83.1@0 JP83.1@2 JP84.1@0 JP84.1@2 JP85.1@0 JP85.1@2 JP86.1 JP86.1-2 JP86.2 JP86.2-2 JP86.3 JP86.3-2 JP86.4 JP86.4-2 JP86.5 JP86.5-2 JP86.6 JP86.6-2 JP91.3 JP91.3-2 R184.1 U7.5 U7.15 U7.23 U7.33 U7.35 U7.43 X7.GND
GND7 [vcc]: C57.1 C58.2 C59.2 C60.1 C61.1 C62.1 C63.C C64.1 JP93.1@0 JP93.1@2 JP94.1@0 JP94.1@2 JP95.1@0 JP95.1@2 JP96.1@0 JP96.1@2 JP97.1@0 JP97.1@2 JP98.1@0 JP98.1@2 JP99.1 JP99.1-2 JP99.2 JP99.2-2 JP99.3 JP99.3-2 JP99.4 JP99.4-2 JP99.5 JP99.5-2 JP99.6 JP99.6-2 JP104.3 JP104.3-2 R213.1 U8.5 U8.15 U8.23 U8.33 U8.35 U8.43 X8.GND
N$1: C4.1 U1.16 Y1.1
N$2: C3.1 U1.17 Y1.3
N$3: LED8.A R18.1
N$4: C2.2 U1.6
N$5: F1.1 X1.VBUS
N$6: R1.2 X1.D-
N$7: LED7.C R23.2
N$8: R2.2 X1.D+
N$9: LED11.A R16.1
N$10: LED10.A R19.1
N$11: LED9.A R17.1
N$21: C11.1 U2.16 Y2.1
N$22: C10.1 U2.17 Y2.3
N$23: C12.2 U2.6
N$24: LED1.C LED2.A LED5.A LED6.C R21.2
N$25: LED1.A LED2.C LED3.A LED4.C R20.2
N$26: LED3.C LED4.A LED5.C LED6.A R22.2
N$27: R32.2 X2.D-
N$28: R31.2 X2.D+
N$31: LED15.C LED16.A LED17.A LED18.C R53.2
N$36: LED13.A LED14.C LED17.C LED18.A R52.2
N$38: LED13.C LED14.A LED15.A LED16.C R54.2
N$39: F2.1 X2.VBUS
N$40: LED12.C R39.2
N$41: LED22.A R57.1
N$44: LED21.A R58.1
N$58: LED20.A R55.1
N$59: LED19.A R56.1
N$67: C19.1 U3.16 Y3.1
N$68: C18.1 U3.17 Y3.3
N$69: C20.2 U3.6
N$70: R61.2 X3.D-
N$71: R60.2 X3.D+
N$72: LED26.C LED27.A LED28.A LED29.C R82.2
N$73: LED24.A LED25.C LED28.C LED29.A R81.2
N$74: LED24.C LED25.A LED26.A LED27.C R83.2
N$75: F3.1 X3.VBUS
N$76: LED23.C R68.2
N$77: LED33.A R86.1
N$78: LED32.A R87.1
N$91: LED31.A R84.1
N$92: LED30.A R85.1
N$100: C27.1 U4.16 Y4.1
N$101: C26.1 U4.17 Y4.3
N$102: C28.2 U4.6
N$103: R90.2 X4.D-
N$104: R89.2 X4.D+
N$105: LED37.C LED38.A LED39.A LED40.C R111.2
N$106: LED35.A LED36.C LED39.C LED40.A R110.2
N$107: LED35.C LED36.A LED37.A LED38.C R112.2
N$108: F4.1 X4.VBUS
N$109: LED34.C R97.2
N$110: LED44.A R115.1
N$111: LED43.A R116.1
N$124: LED42.A R113.1
N$125: LED41.A R114.1
N$133: C35.1 U5.16 Y5.1
N$134: C34.1 U5.17 Y5.3
N$135: C36.2 U5.6
N$136: R119.2 X5.D-
N$137: R118.2 X5.D+
N$138: LED48.C LED49.A LED50.A LED51.C R140.2
N$139: LED46.A LED47.C LED50.C LED51.A R139.2
N$140: LED46.C LED47.A LED48.A LED49.C R141.2
N$141: F5.1 X5.VBUS
N$142: LED45.C R126.2
N$143: LED55.A R144.1
N$144: LED54.A R145.1
N$157: LED53.A R142.1
N$158: LED52.A R143.1
N$166: C43.1 U6.16 Y6.1
N$167: C42.1 U6.17 Y6.3
N$168: C44.2 U6.6
N$169: R148.2 X6.D-
N$170: R147.2 X6.D+
N$171: LED59.C LED60.A LED61.A LED62.C R169.2
N$172: LED57.A LED58.C LED61.C LED62.A R168.2
N$173: LED57.C LED58.A LED59.A LED60.C R170.2
N$174: F6.1 X6.VBUS
N$175: LED56.C R155.2
N$176: LED66.A R173.1
N$177: LED65.A R174.1
N$190: LED64.A R171.1
N$191: LED63.A R172.1
N$199: C51.1 U7.16 Y7.1
N$200: C50.1 U7.17 Y7.3
N$201: C52.2 U7.6
N$202: R177.2 X7.D-
N$203: R176.2 X7.D+
N$204: LED70.C LED71.A LED72.A LED73.C R198.2
N$205: LED68.A LED69.C LED72.C LED73.A R197.2
N$206: LED68.C LED69.A LED70.A LED71.C R199.2
N$207: F7.1 X7.VBUS
N$208: LED67.C R184.2
N$209: LED77.A R202.1
N$210: LED76.A R203.1
N$223: LED75.A R200.1
N$224: LED74.A R201.1
N$232: C59.1 U8.16 Y8.1
N$233: C58.1 U8.17 Y8.3
N$234: C60.2 U8.6
N$235: R206.2 X8.D-
N$236: R205.2 X8.D+
N$237: LED81.C LED82.A LED83.A LED84.C R227.2
N$238: LED79.A LED80.C LED83.C LED84.A R226.2
N$239: LED79.C LED80.A LED81.A LED82.C R228.2
N$240: F8.1 X8.VBUS
N$241: LED78.C R213.2
N$242: LED88.A R231.1
N$243: LED87.A R232.1
N$256: LED86.A R229.1
N$257: LED85.A R230.1
PD1: LED20.C LED22.C U2.22
PD2: LED31.C LED33.C U3.22
PD3: LED42.C LED44.C U4.22
PD4: LED53.C LED55.C U5.22
PD5: LED9.C LED11.C U1.22
PD6: LED64.C LED66.C U6.22
PD7: LED75.C LED77.C U7.22
PD8: LED86.C LED88.C U8.22
PULL-UP: R4.2 R5.2 R6.2 R7.2 R8.2 R9.2 R10.2 R11.2 R12.2 R13.2 R14.2 R15.2 SJ1.2
PULL-UP1: R40.2 R41.2 R42.2 R43.2 R44.2 R45.2 R46.2 R47.2 R48.2 R49.2 R50.2 R51.2 SJ2.2
PULL-UP2: R69.2 R70.2 R71.2 R72.2 R73.2 R74.2 R75.2 R76.2 R77.2 R78.2 R79.2 R80.2 SJ3.2
PULL-UP3: R98.2 R99.2 R100.2 R101.2 R102.2 R103.2 R104.2 R105.2 R106.2 R107.2 R108.2 R109.2 SJ4.2
PULL-UP4: R127.2 R128.2 R129.2 R130.2 R131.2 R132.2 R133.2 R134.2 R135.2 R136.2 R137.2 R138.2 SJ5.2
PULL-UP5: R156.2 R157.2 R158.2 R159.2 R160.2 R161.2 R162.2 R163.2 R164.2 R165.2 R166.2 R167.2 SJ6.2
PULL-UP6: R185.2 R186.2 R187.2 R188.2 R189.2 R190.2 R191.2 R192.2 R193.2 R194.2 R195.2 R196.2 SJ7.2
PULL-UP7: R214.2 R215.2 R216.2 R217.2 R218.2 R219.2 R220.2 R221.2 R222.2 R223.2 R224.2 R225.2 SJ8.2
RESET: JP14.2 JP14.2-2 R3.1 U1.13
RESET1: JP26.2 JP26.2-2 R30.1 U2.13
RESET2: JP39.2 JP39.2-2 R59.1 U3.13
RESET3: JP52.2 JP52.2-2 R88.1 U4.13
RESET4: JP65.2 JP65.2-2 R117.1 U5.13
RESET5: JP78.2 JP78.2-2 R146.1 U6.13
RESET6: JP91.2 JP91.2-2 R175.1 U7.13
RESET7: JP104.2 JP104.2-2 R204.1 U8.13
VCC: C5.2 C6.2 C7.A C8.2 F1.2 JP14.4 JP14.4-2 LED7.A R3.2 R16.2 R17.2 R18.2 R19.2 R24.2 R25.2 R26.2 R27.2 R28.2 R29.2 SJ1.1 U1.2 U1.7 U1.14 U1.24 U1.34 U1.44
VCC1: C13.2 C14.2 C15.A C16.2 F2.2 JP26.4 JP26.4-2 LED12.A R30.2 R33.2 R34.2 R35.2 R36.2 R37.2 R38.2 R55.2 R56.2 R57.2 R58.2 SJ2.1 U2.2 U2.7 U2.14 U2.24 U2.34 U2.44
VCC2: C21.2 C22.2 C23.A C24.2 F3.2 JP39.4 JP39.4-2 LED23.A R59.2 R62.2 R63.2 R64.2 R65.2 R66.2 R67.2 R84.2 R85.2 R86.2 R87.2 SJ3.1 U3.2 U3.7 U3.14 U3.24 U3.34 U3.44
VCC3: C29.2 C30.2 C31.A C32.2 F4.2 JP52.4 JP52.4-2 LED34.A R88.2 R91.2 R92.2 R93.2 R94.2 R95.2 R96.2 R113.2 R114.2 R115.2 R116.2 SJ4.1 U4.2 U4.7 U4.14 U4.24 U4.34 U4.44
VCC4: C37.2 C38.2 C39.A C40.2 F5.2 JP65.4 JP65.4-2 LED45.A R117.2 R120.2 R121.2 R122.2 R123.2 R124.2 R125.2 R142.2 R143.2 R144.2 R145.2 SJ5.1 U5.2 U5.7 U5.14 U5.24 U5.34 U5.44
VCC5: C45.2 C46.2 C47.A C48.2 F6.2 JP78.4 JP78.4-2 LED56.A R146.2 R149.2 R150.2 R151.2 R152.2 R153.2 R154.2 R171.2 R172.2 R173.2 R174.2 SJ6.1 U6.2 U6.7 U6.14 U6.24 U6.34 U6.44
VCC6: C53.2 C54.2 C55.A C56.2 F7.2 JP91.4 JP91.4-2 LED67.A R175.2 R178.2 R179.2 R180.2 R181.2 R182.2 R183.2 R200.2 R201.2 R202.2 R203.2 SJ7.1 U7.2 U7.7 U7.14 U7.24 U7.34 U7.44
VCC7: C61.2 C62.2 C63.A C64.2 F8.2 JP104.4 JP104.4-2 LED78.A R204.2 R207.2 R208.2 R209.2 R210.2 R211.2 R212.2 R229.2 R230.2 R231.2 R232.2 SJ8.1 U8.2 U8.7 U8.14 U8.24 U8.34 U8.44

## Tracks (layer width: path | path; a pad name or v marks a point on that pad's centre or on a via)
A0  (via drill 0.51)
  Top 0.254: v53.85,24.64 52.58,23.37 45.21,23.37 36.7,14.86 20.45,14.86 15.75,19.56 16.13,20.45 14.35,19.68 15.11,21.46 13.34,20.7 14.1,22.48 12.32,21.72 12.7,22.61 11.94,23.37 v11.94,25.91
  Bottom 0.254: JP12.1-2 11.94,27.18 | 11.94,27.18 JP12.1 | U1.36 53.71,24.78 v53.85,24.64 | 11.94,27.18 v11.94,25.91 13.72,24.13 R4.1
A1  (via drill 0.51)
  Top 0.254: v53.85,25.91 51.31,25.91 50.04,24.64 45.47,24.64 36.2,15.37 23.75,15.37 22.1,17.02 22.48,17.91 20.7,17.14 21.46,18.92 19.68,18.16 20.45,19.94 18.67,19.18 19.05,20.07 11.94,27.18 v11.94,28.45
  Bottom 0.254: JP12.2-2 11.94,29.72 | 11.94,29.72 JP12.2 | U1.37 53.52,25.58 v53.85,25.91 | 11.94,29.72 v11.94,28.45 14.48,28.45 16.26,26.67 R5.1
A2  (via drill 0.51)
  Top 0.254: v50.04,25.91 45.72,25.91 35.69,15.88 27.05,15.88 21.46,21.46 21.84,22.35 20.07,21.59 20.83,23.37 19.05,22.61 19.81,24.38 18.03,23.62 18.41,24.51 v11.94,30.99
  Bottom 0.254: JP12.3-2 11.94,32.26 | 11.94,32.26 JP12.3 | U1.38 50.51,26.38 v50.04,25.91 | 11.94,32.26 v11.94,30.99 14.48,30.99 16.26,29.21 R6.1
A3  (via drill 0.51)
  Top 0.254: v41.27,26.04 35.05,19.81 26.92,19.81 20.83,25.91 21.21,26.8 19.43,26.04 20.19,27.81 18.41,27.05 19.18,28.83 17.4,28.07 17.78,28.96 v15.75,30.99 13.21,33.53 v11.94,33.53
  Bottom 0.254: JP12.4 11.94,34.8 | 11.94,34.8 JP12.4-2 | U1.39 49.91,27.18 49.28,26.54 41.78,26.54 v41.27,26.04 | v11.94,33.53 11.94,34.8 | R7.1 16.51,31.75 v15.75,30.99
A4  (via drill 0.51)
  Top 0.254: v11.94,38.61 15.75,42.42 28.32,42.42 28.96,41.78 28.96,39.37 30.35,37.97 30.35,33.27 30.86,32.77 35.81,32.77 40.64,27.94 v40.64,27.18
  Bottom 0.254: JP12.5-2 11.94,37.34 | 11.94,37.34 JP12.5 | 11.94,37.34 v11.94,38.61 15.75,38.61 17.02,39.88 17.02,42.42 17.4,42.8 R8.1 | U1.40 49.82,27.98 49.02,27.18 v40.64,27.18
A5  (via drill 0.51)
  Top 0.254: v11.94,41.15 11.94,44.96 13.21,46.23 27.18,46.23 29.72,43.69 29.72,39.88 31.5,38.1 34.8,38.1 36.2,36.7 36.2,33.15 41.27,28.07 v42.16,28.07
  Bottom 0.254: JP12.6 11.94,39.88 | 11.94,39.88 JP12.6-2 | 11.94,39.88 v11.94,41.15 13.34,41.15 17.14,44.96 R9.1 | U1.41 49.73,28.78 48.77,27.81 42.42,27.81 v42.16,28.07
A6  (via drill 0.51)
  Top 0.254: v53.85,76.71 52.58,75.44 45.21,75.44 36.7,66.93 20.45,66.93 15.75,71.63 16.13,72.52 14.35,71.75 15.11,73.53 13.34,72.77 14.1,74.55 12.32,73.79 12.7,74.68 11.94,75.44 v11.94,77.98
  Bottom 0.254: JP24.1-2 11.94,79.25 | 11.94,79.25 JP24.1 | U2.36 53.71,76.85 v53.85,76.71 | 11.94,79.25 v11.94,77.98 13.72,76.2 R48.1
A7  (via drill 0.51)